# Altium PCB ESP32-C3_V1.PcbDoc (part 1 of 2)
Units mm, origin at the board's own origin, x right, y up, seen from the top; angles counter-clockwise.
Board outline 80 x 35 mm, 4 copper layers (Top Layer, Inner Layer 1, Inner Layer 2, Bottom Layer), stack 1.564 mm thick; 105 components, 76 nets, 445 pads, 265 vias.
Unrouted connection lines stored in the file: 166.
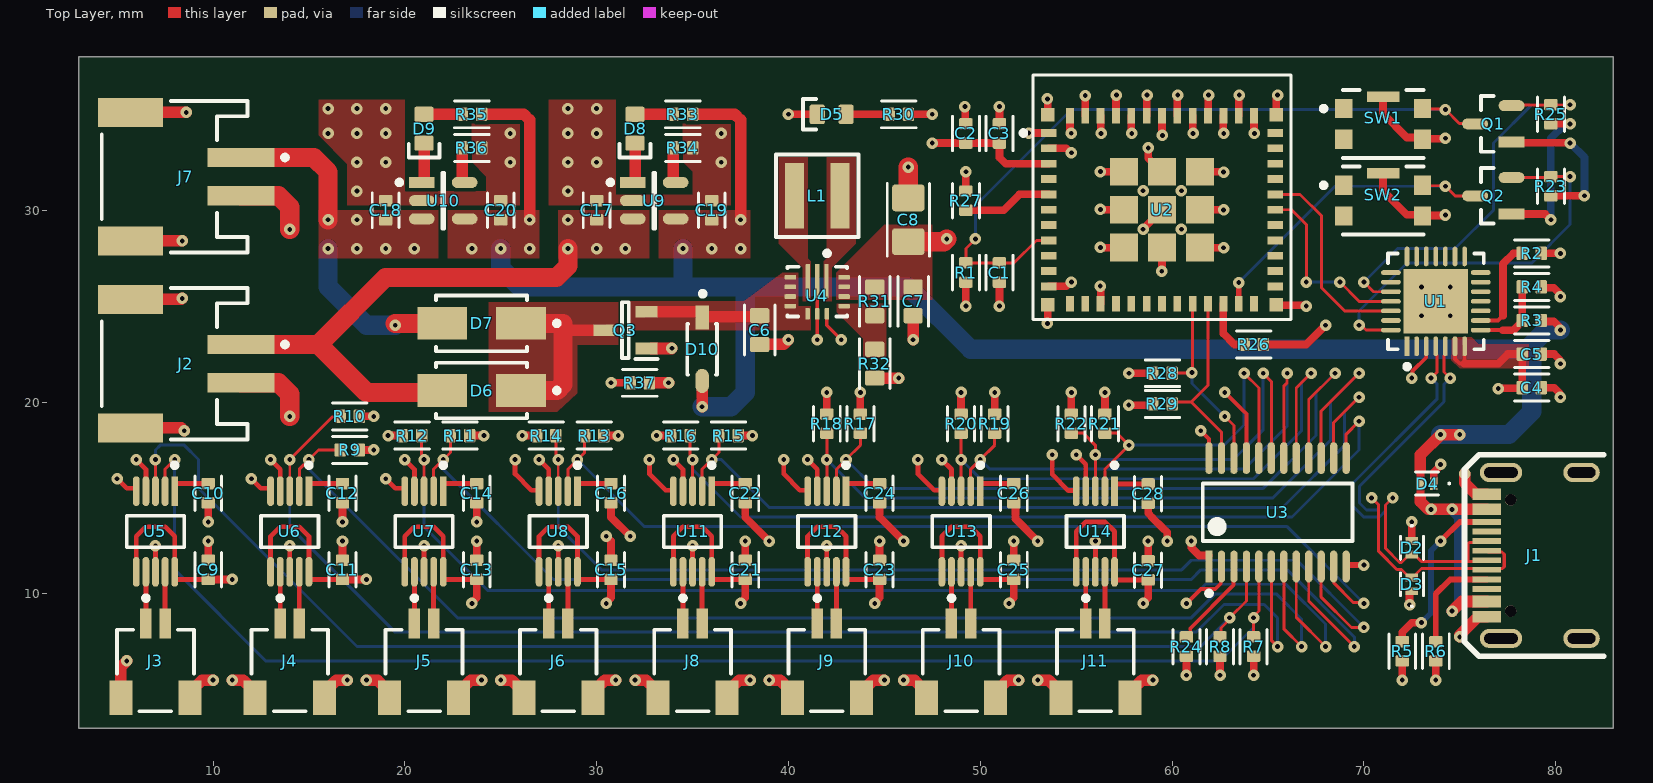
[diagram p0: Top Layer view]
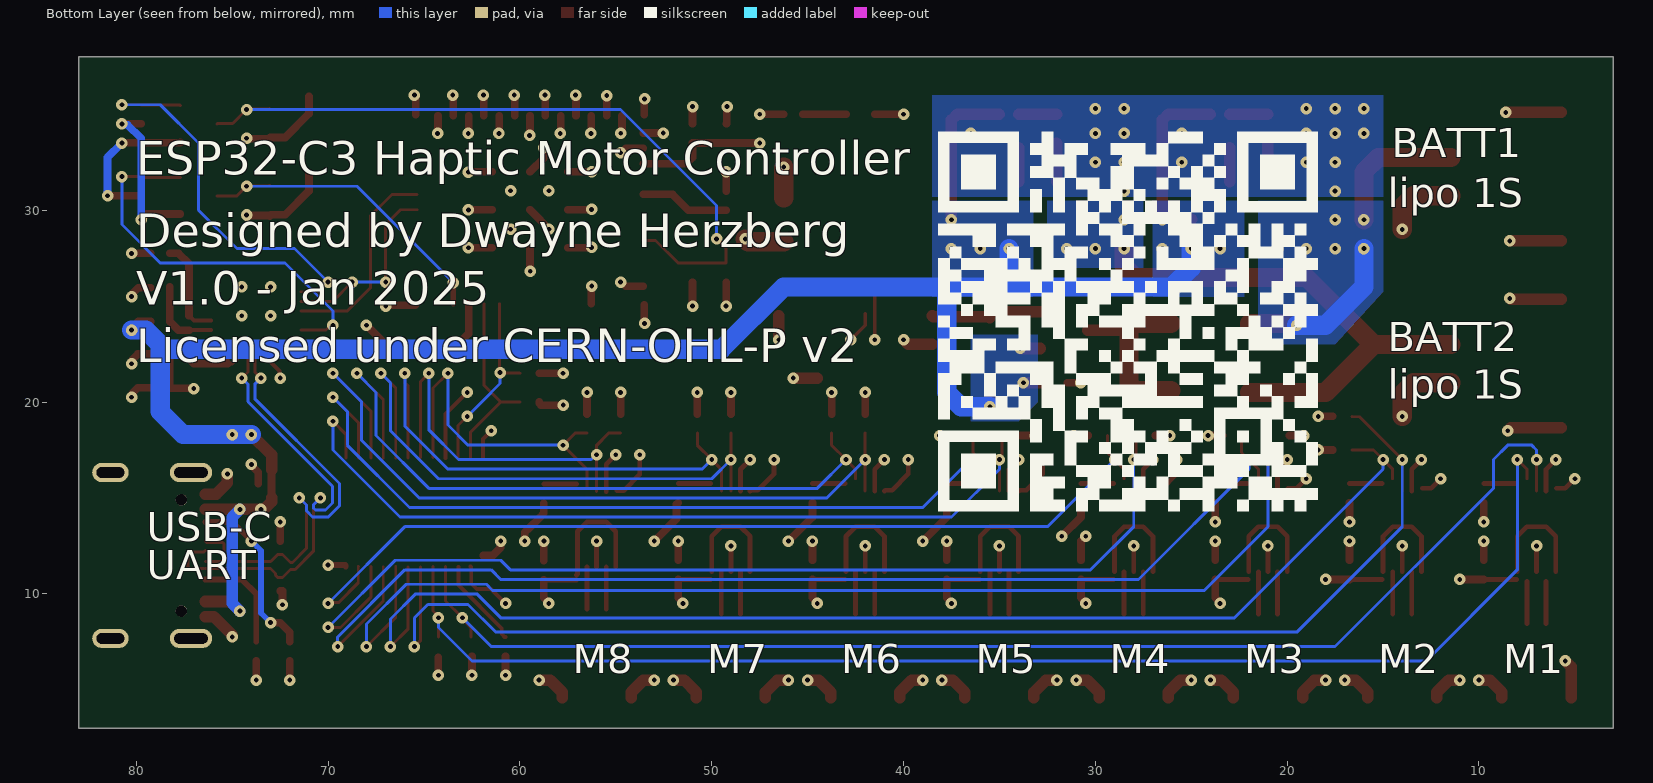
[diagram p1: Bottom Layer view, seen from below]
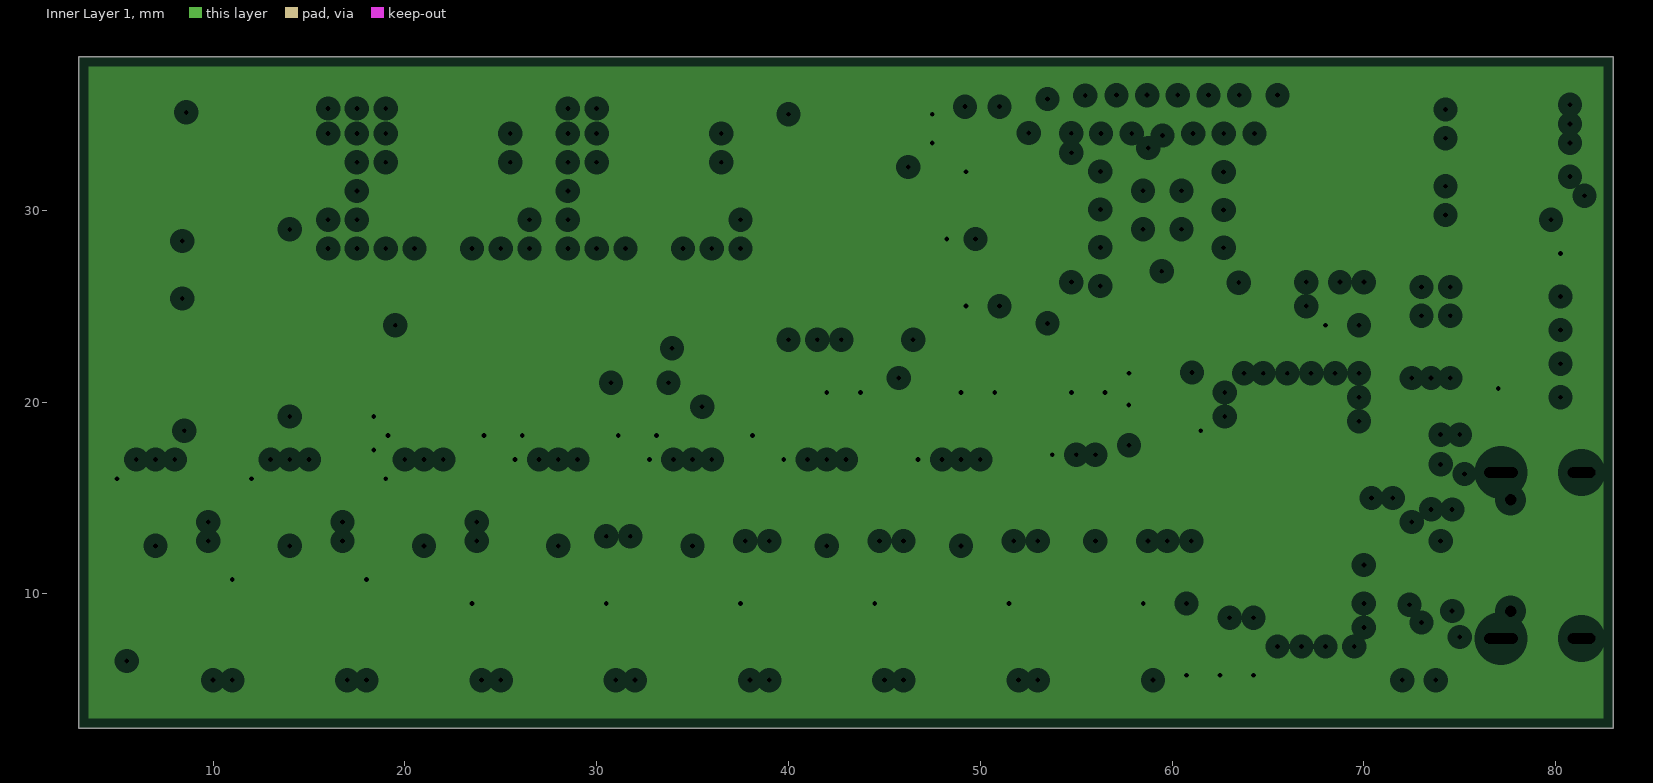
[diagram p2: Inner Layer 1, clearances drawn from the general rule]
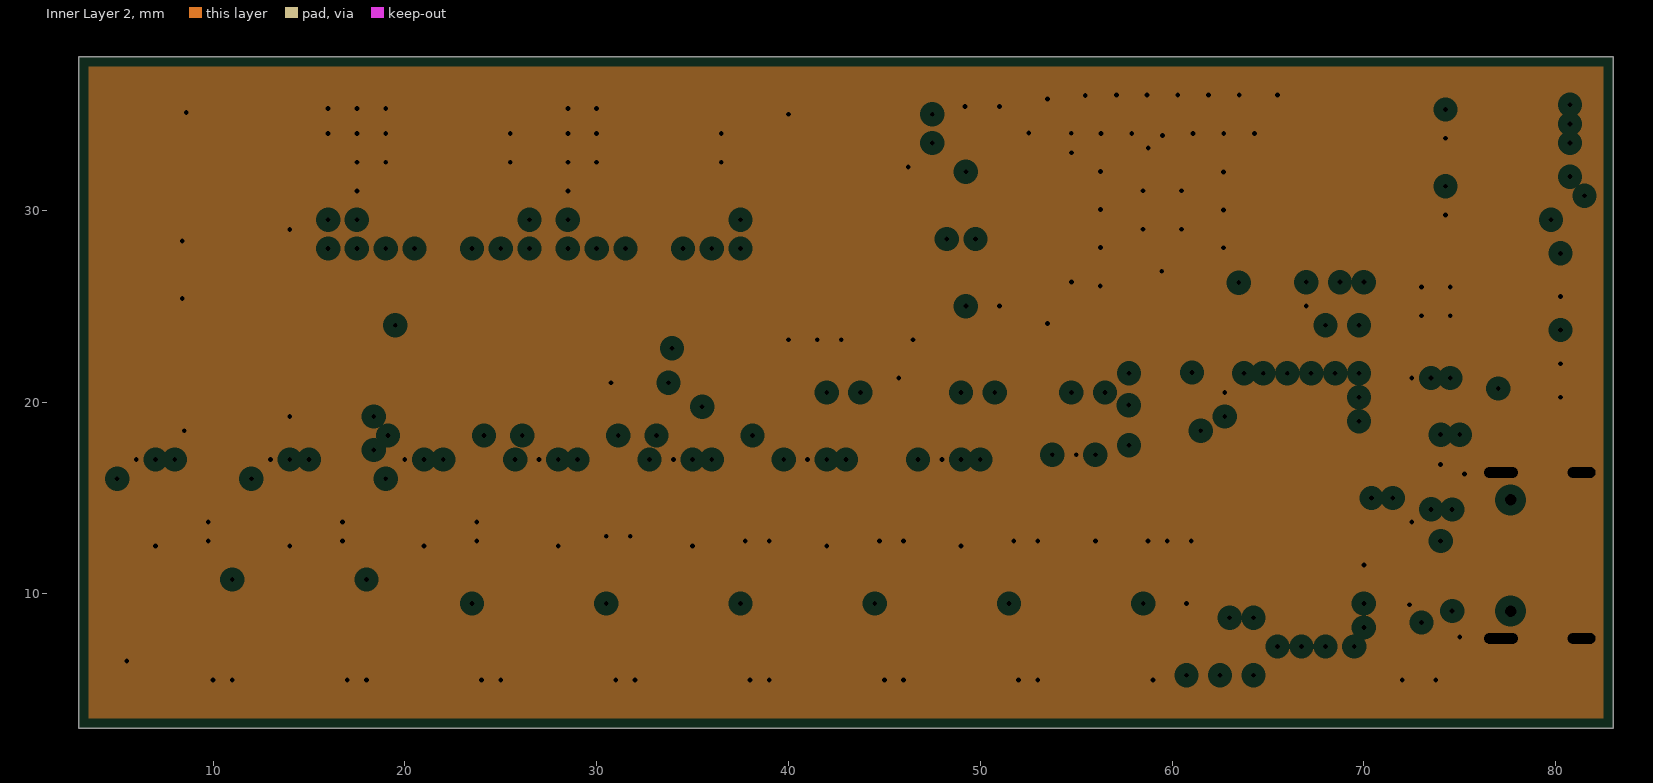
[diagram p3: Inner Layer 2, clearances drawn from the general rule]
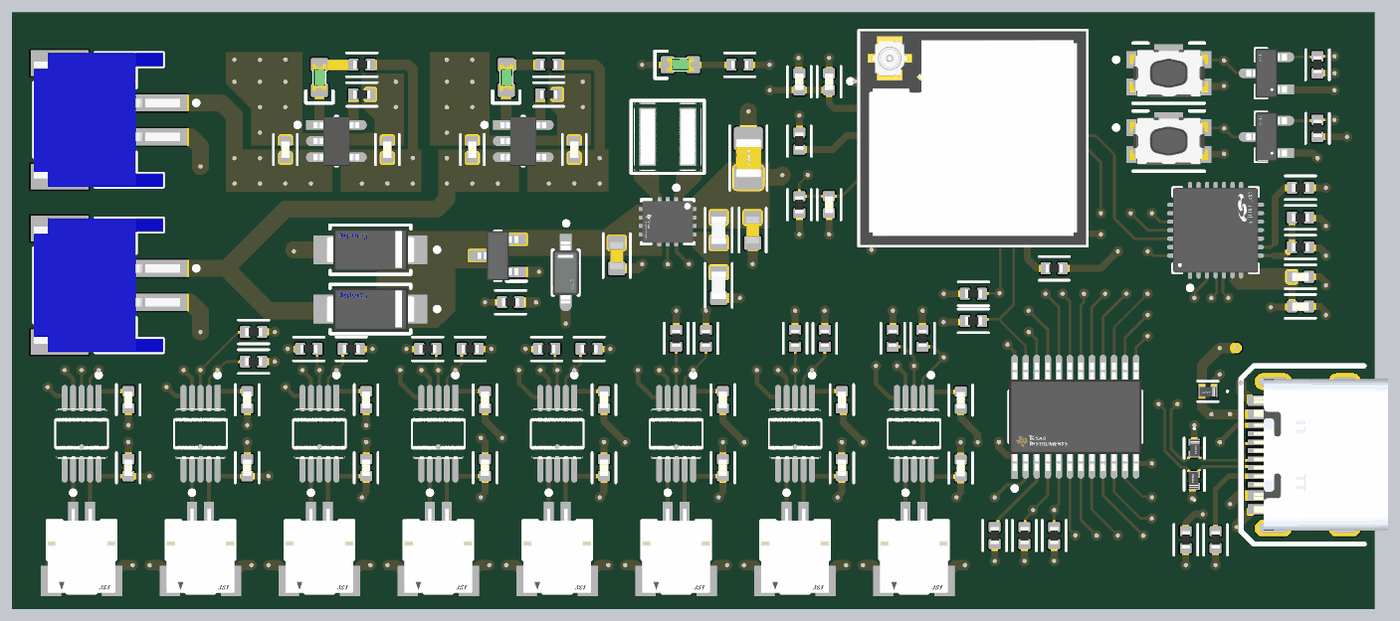
[diagram p5: 3D render of the assembled board from above, using the file's embedded part models]

## Layer stack, top to bottom
Top Solder: solder mask 0.0152, Solder Resist, Dk 3.8
Top Layer: signal copper 0.035
Dielectric 1: prepreg 0.0994, NP-155F, Dk 4.1
Inner Layer 1: plane copper 0.0152, net VCC_3V3
Dielectric 2: core 1.265, NP-155F, Dk 4.43
Inner Layer 2: plane copper 0.0152, net GND
Dielectric 3: prepreg 0.0994, NP-155F, Dk 4.1
Bottom Layer: signal copper 0.035
Bottom Solder: solder mask 0.0152, Solder Resist, Dk 3.8

## Board outline
3,3 3,38 83,38 83,3

## Design rules (kind name [scope] priority, off if disabled: settings)
BoardOutlineClearance [All] p1: gap=0.3 ignorepadtopadclearanceinfootprint=FALSE except(0.4: Arc-SplitBarrior Arc-SplitContinuation Track-SplitBarrior Track-SplitContinuation SMDPad-SplitBarrior SMDPad-SplitContinuation THPad-SplitBarrior THPad-SplitContinuation Via-SplitBarrior Via-SplitContinuation Fill-SplitBarrior Fill-SplitContinuation Poly-SplitBarrior Poly-SplitContinuation Region-SplitBarrior Region-SplitContinuation Text-SplitBarrior Text-SplitContinuation)
Clearance "Clearance Different Nets" [All] p1: gap=0.2 ignorepadtopadclearanceinfootprint=FALSE except(0.089: Arc-Arc Arc-Track Arc-SMDPad Track-Track Track-SMDPad; 0.127: SMDPad-SMDPad SMDPad-Via THPad-Via Via-Via; 0.254: Arc-Via Arc-Text Track-Via Track-Text SMDPad-Text THPad-Text Via-Text Fill-Text Poly-Text Region-Text Text-Text; 0.5: THPad-THPad Via-Hole)
Clearance "Clearance Same Nets" [All] p2: gap=0.2 ignorepadtopadclearanceinfootprint=FALSE except(0: SMDPad-Via THPad-Via; 0.089: Arc-Arc Arc-Track Arc-SMDPad Track-Track Track-SMDPad SMDPad-SMDPad; 0.254: Arc-Via Arc-Text Track-Via Track-Text SMDPad-Text THPad-Text Via-Via Via-Text Fill-Text Poly-Text Region-Text Text-Text)
Clearance "Clearance Bottom Layer" [OnLayer('Bottom Layer')] p3: gap=0.203 ignorepadtopadclearanceinfootprint=TRUE except(0.254: Arc-Text Track-Text SMDPad-Text THPad-Text Via-Text Fill-Text Poly-Text Region-Text Text-Text)
Clearance "Clearance Top Layer" [OnLayer('Top Layer')] p4: gap=0.203 ignorepadtopadclearanceinfootprint=TRUE except(0.254: Arc-Text Track-Text SMDPad-Text THPad-Text Via-Text Fill-Text Poly-Text Region-Text Text-Text)
ComponentClearance [All] p1: gap=0.254 collisioncheckmode=3 verticalgap=0.254 showdistances=TRUE
DiffPairsRouting [InDifferentialPairClass('All Differential Pairs')] p1: maxlimit=0.206 minlimit=0.203 mostfreqgap=0.203 toplayer_minwidth=0.153 toplayer_maxwidth=0.158 toplayer_prefwidth=0.153 bottomlayer_minwidth=0.153 bottomlayer_maxwidth=0.158 bottomlayer_prefwidth=0.154 maxuncoupledlength=12.7
HoleSize [All] p1: absolutevalues=TRUE maxlimit=6.3 minlimit=0.2 maxpercent=80.000 minpercent=20.000
MinimumAnnularRing [All] p1: minimumring=0.13
MinimumSolderMaskSliver [All] p1: minsoldermaskwidth=0.1
PlaneClearance [All] p1: clearance=0.508
PlaneConnect [All] p1: pad.planeconnectstyle=Relief pad.reliefexpansion=0.508 pad.reliefentries=4 pad.reliefconductorwidth=0.254 pad.reliefairgap=0.254 via.planeconnectstyle=Direct via.reliefexpansion=0.508 via.reliefentries=4 via.reliefconductorwidth=0.254 via.reliefairgap=0.254
PolygonConnect PolygonConnect_1 [All] p1: connectstyle=Direct reliefconductorwidth=0.508 reliefentries=4 polygonreliefangle="90 Angle" airgapwidth=0.254
RoutingCorners [All] p1: cornerstyle=Round minsetback=2.54 maxsetback=2.54
RoutingVias [All] p1: holewidth=0.5 width=1 viastyle="Through Hole" minholewidth=0.2 minwidth=0.35 maxholewidth=1 maxwidth=2
SilkToSilkClearance [All] p1: silktosilkclearance=0.1
SilkToSolderMaskClearance [IsPad] p1: minsilkscreentomaskgap=0.1 clearancetoexposedcopper=TRUE
SolderMaskExpansion [All] p1: expansion=0.102 istentingtop=FALSE
Width [All] p1: maxlimit=2.54 minlimit=0.089 preferedwidth=0.381
21 further rules are at their usual default settings.

## Classes and differential pairs
differential pair CON_USB: +CON_USB_P -CON_USB_N

## Components (designator, comment, footprint, x,y, rotation, side; value= is the part's Value field where it differs from the comment)
C1 "1uF 35V" CAP_0402 51,26.75 r90 top value=1uF
C2 "0.1uF 50V" CAP_0402 49.25,34 r270 top
C3 "10uF 10V" CAP_0402 51,34 r270 top value=10uF
C4 "4.7uF 16V" CAP_0402 78.75,20.75 r180 top value=4.7uF
C5 "0.1uF 50V" CAP_0402 78.75,22.5 r180 top
C6 "10uF 10V" CAP_0603 38.5,23.75 r90 top value=10uF
C7 "10uF 6.3V" CAP_0603 46.5,25.25 r90 top value=10uF
C8 "47uF 6.3V" CAP_0805 46.25,29.5 r270 top value=47uF
C9 "1uF 35V" CAP_0402 9.75,11.25 r270 top value=1uF
C10 "1uF 35V" CAP_0402 9.75,15.25 r90 top value=1uF
C11 "1uF 35V" CAP_0402 16.75,11.25 r270 top value=1uF
C12 "1uF 35V" CAP_0402 16.75,15.25 r90 top value=1uF
C13 "1uF 35V" CAP_0402 23.75,11.25 r270 top value=1uF
C14 "1uF 35V" CAP_0402 23.75,15.25 r90 top value=1uF
C15 "1uF 35V" CAP_0402 30.75,11.25 r270 top value=1uF
C16 "1uF 35V" CAP_0402 30.75,15.25 r90 top value=1uF
C17 "4.7uF 16V" CAP_0402 30,30 r90 top value=4.7uF
C18 "4.7uF 16V" CAP_0402 19,30 r90 top value=4.7uF
C19 "4.7uF 16V" CAP_0402 36,30 r90 top value=4.7uF
C20 "4.7uF 16V" CAP_0402 25,30 r90 top value=4.7uF
C21 "1uF 35V" CAP_0402 37.75,11.25 r270 top value=1uF
C22 "1uF 35V" CAP_0402 37.75,15.25 r90 top value=1uF
C23 "1uF 35V" CAP_0402 44.75,11.25 r270 top value=1uF
C24 "1uF 35V" CAP_0402 44.75,15.25 r90 top value=1uF
C25 "1uF 35V" CAP_0402 51.75,11.25 r270 top value=1uF
C26 "1uF 35V" CAP_0402 51.75,15.25 r90 top value=1uF
C27 "1uF 35V" CAP_0402 58.75,11.226 r270 top value=1uF
C28 "1uF 35V" CAP_0402 58.75,15.226 r90 top value=1uF
D2 "AQ3045-01ETG" SP353001ETG 72.5,12.4 r270 top
D3 "AQ3045-01ETG" SP353001ETG 72.5,10.5 r90 top
D4 "AQ3045-01ETG" SP353001ETG 73.3,15.75 r180 top
D5 "GREEN" LED_0603_GREEN#1 42.25,35 r0 top
D6 "40V 2A" FP-DO-214AC-MFG 24,20.6 r180 top
D7 "40V 2A" FP-DO-214AC-MFG 24,24.1 r180 top
D8 "GREEN" LED_0603_GREEN#1 32,34.25 r90 top
D9 "GREEN" LED_0603_GREEN#2 21,34.25 r90 top
D10 "40V 1A" FP-SOD123-IPC_B 35.5,22.75 r270 top
J1 "TYPE-C-31-M-12" TYPE-C-31-M-12 79.25,12 r90 top
J2 "S2B-PH-SM4-TB(LF)(SN)" "JST- S2B-PH-SM4-TB(LF)(SN)-2_V" 8,22 r270 top
J3 "SM02B-SRSS-TB(LF)(SN)" FP-SM02B-SRSS-TB_LF_SN-MFG 7,6 r0 top
J4 "SM02B-SRSS-TB(LF)(SN)" FP-SM02B-SRSS-TB_LF_SN-MFG 14,6 r0 top
J5 "SM02B-SRSS-TB(LF)(SN)" FP-SM02B-SRSS-TB_LF_SN-MFG 21,6 r0 top
J6 "SM02B-SRSS-TB(LF)(SN)" FP-SM02B-SRSS-TB_LF_SN-MFG 28,6 r0 top
J7 "S2B-PH-SM4-TB(LF)(SN)" "JST- S2B-PH-SM4-TB(LF)(SN)-2_V" 8,31.75 r270 top
J8 "SM02B-SRSS-TB(LF)(SN)" FP-SM02B-SRSS-TB_LF_SN-MFG 35,6 r0 top
J9 "SM02B-SRSS-TB(LF)(SN)" FP-SM02B-SRSS-TB_LF_SN-MFG 42,6 r0 top
J10 "SM02B-SRSS-TB(LF)(SN)" FP-SM02B-SRSS-TB_LF_SN-MFG 49,6 r0 top
J11 "SM02B-SRSS-TB(LF)(SN)" FP-SM02B-SRSS-TB_LF_SN-MFG 56,6 r0 top
L1 "1uH" FP-XAL4020-102MEC-MFG 41.5,30.75 r0 top
Q1 "SS8050-G" FP-SS8050-G-IPC_B 76.75,34.5 r180 top
Q2 "SS8050-G" FP-SS8050-G-IPC_B 76.75,30.75 r180 top
Q3 "DMP2045U-7" SOT96P240X115-3N 31.5,23.75 r180 top
R1 "10K" RES_0402#1 49.25,26.75 r270 top value=10kR
R2 "1K" RES_0402#1 78.75,27.75 r0 top value=1kR
R3 "22K1" RES_0402#1 78.75,24.25 r0 top value=22.1kR
R4 "47K5" RES_0402#1 78.75,26 r180 top value=47.5kR
R5 "5K1" RES_0402#1 72,7 r90 top value=5.1kR
R6 "5K1" RES_0402#1 73.75,7 r90 top value=5.1kR
R7 "10K" RES_0402#1 64.25,7.25 r270 top value=10kR
R8 "10K" RES_0402#1 62.5,7.25 r270 top value=10kR
R9 "10K" RES_0402#1 17.125,17.5 r0 top value=10kR
R10 "10K" RES_0402#1 17.125,19.25 r0 top value=10kR
R11 "10K" RES_0402#1 22.875,18.25 r0 top value=10kR
R12 "10K" RES_0402#1 20.375,18.25 r180 top value=10kR
R13 "10K" RES_0402#1 29.875,18.25 r0 top value=10kR
R14 "10K" RES_0402#1 27.375,18.25 r180 top value=10kR
R15 "10K" RES_0402#1 36.875,18.25 r0 top value=10kR
R16 "10K" RES_0402#1 34.375,18.25 r180 top value=10kR
R17 "10K" RES_0402#1 43.75,18.875 r90 top value=10kR
R18 "10K" RES_0402#1 42,18.875 r90 top value=10kR
R19 "10K" RES_0402#1 50.75,18.875 r90 top value=10kR
R20 "10K" RES_0402#1 49,18.875 r90 top value=10kR
R21 "10K" RES_0402#1 56.5,18.875 r90 top value=10kR
R22 "10K" RES_0402#1 54.75,18.875 r90 top value=10kR
R23 "10K" RES_0402#1 79.75,31.25 r90 top value=10kR
R24 "10K" RES_0402#1 60.75,7.25 r270 top value=10kR
R25 "10K" RES_0402#1 79.75,35 r90 top value=10kR
R26 "10K" RES_0402#1 64.25,23 r0 top value=10kR
R27 "10K" RES_0402#1 49.25,30.5 r90 top value=10kR
R28 "10K" RES_0402#1 59.5,21.5 r180 top value=10kR
R29 "10K" RES_0402#1 59.5,19.9 r180 top value=10kR
R30 "1K" RES_0402#1 45.75,35 r0 top value=1kR
R31 "562K" RES_0603 44.5,25.25 r90 top value=562kR
R32 "180K" RES_0603 44.5,22 r90 top value=180kR
R33 "1K" RES_0402#1 34.5,35 r180 top value=1kR
R34 "2K7" RES_0402#1 34.5,33.25 r0 top value=2.7kR
R35 "1K" RES_0402#2 23.5,35 r180 top value=1kR
R36 "2K7" RES_0402#1 23.5,33.25 r0 top value=2.7kR
R37 "100K" RES_0402#1 32.25,21 r0 top value=100kR
SW1 "KMR221GLFS" FP-KMR221GLFS-MFG 71,34.5 r0 top
SW2 "KMR221GLFS" FP-KMR221GLFS-MFG 71,30.5 r0 top
U1 "CP2102N-A02-GQFN28" ? 73.75,25.25 r90 top
U2 "ESP32-C3-MINI-1U-N4" ESP32-C3-MINI-1U_EXP 59.475,30.675 r0 top locked
U3 "TCA9548APWR" FP-PW0024A-IPC_B 65.5,14.25 r90 top
U4 "TPS630250RNCT" FP-RNC0014A-MFG 41.5,25.75 r270 top
U5 "DRV2605LDGSR" FP-DGS0010A-IPC_B 7,13.25 r270 top
U6 "DRV2605LDGSR" FP-DGS0010A-IPC_B 14,13.25 r270 top
U7 "DRV2605LDGSR" FP-DGS0010A-IPC_B 21,13.25 r270 top
U8 "DRV2605LDGSR" FP-DGS0010A-IPC_B 28,13.25 r270 top
U9 "MCP73831T-2ACI/OT" FP-C04-091-OT-IPC_B 33,30.5 r0 top
U10 "MCP73831T-2ACI/OT" FP-C04-091-OT-IPC_B 22,30.5 r0 top
U11 "DRV2605LDGSR" FP-DGS0010A-IPC_B 35,13.25 r270 top
U12 "DRV2605LDGSR" FP-DGS0010A-IPC_B 42,13.25 r270 top
U13 "DRV2605LDGSR" FP-DGS0010A-IPC_B 49,13.25 r270 top
U14 "DRV2605LDGSR" FP-DGS0010A-IPC_B 56,13.25 r270 top

## Footprints (in the part's own frame and the unit in brackets; to place one, negate y for a bottom-side part, rotate by r counter-clockwise, add the part's x,y. Pads: shape width x height; smd on the part's side, far side on the other; paste and mask are expansions set on the pad)
CAP_0402 [mm]
  rrect25% 0.6x0.7 smd: 1(-0.5,0) 2(0.5,0)
  silkscreen extent -0.9,-0.7 0.9,0.7, body extent -0.5,-0.26 0.5,0.27, height 0.37
CAP_0603 [mm]
  rrect25% 0.8x1 smd: 1(-0.75,0) 2(0.75,0)
  silkscreen extent -1.3,-0.8 1.3,0.8, body extent -0.8,-0.4 0.8,0.4, height 0.51
CAP_0805 [mm]
  rrect25% 1.4x1.7 smd: 1(-1.143,0) 2(1.143,0)
  silkscreen extent -1.9,-1.1 1.9,1.1, body extent -1.15,-0.76 1.15,0.79, height 1.01
ESP32-C3-MINI-1U_EXP [mil]
  rect 32x16 smd paste+0 mask+0: 1(-232.28,131.89) 2(-232.28,100.39) 3(-232.28,68.9) 4(-232.28,37.4) 5(-232.28,5.91) 6(-232.28,-25.59) 7(-232.28,-57.09) 8(-232.28,-88.58) 9(-232.28,-120.08) 10(-232.28,-151.57) 11(-232.28,-183.07) 25(232.28,-183.07) 26(232.28,-151.57) 27(232.28,-120.08) 28(232.28,-88.58) 29(232.28,-57.09) 30(232.28,-25.59) 31(232.28,5.91) 32(232.28,37.4) 33(232.28,68.9) 34(232.28,100.39) 35(232.28,131.89)
  rect 16x32 smd paste+0 mask+0: 12(-188.98,-218.5) 13(-157.48,-218.5) 14(-125.98,-218.5) 15(-94.49,-218.5) 16(-62.99,-218.5) 17(-31.5,-218.5) 18(0,-218.5) 19(31.5,-218.5) 20(62.99,-218.5) 21(94.49,-218.5) 22(125.98,-218.5) 23(157.48,-218.5) 24(188.98,-218.5) 36(188.98,167.32) 37(157.48,167.32) 38(125.98,167.32) 39(94.49,167.32) 40(62.99,167.32) 41(31.5,167.32) 42(0,167.32) 43(-31.5,167.32) 44(-62.99,167.32) 45(-94.49,167.32) 46(-125.98,167.32) 47(-157.48,167.32) 48(-188.98,167.32)
  rect 57x57 smd paste+0 mask+0: 49(0,-25.59) 54(-77.76,52.17) 55(-77.76,-25.59) 56(-77.76,-103.35) 57(0,-103.35) 58(77.76,-103.35) 59(77.76,-25.59) 60(77.76,52.17) 61(0,52.17)
  rect 28x28 smd paste+0 mask+0: 50(234.25,169.29) 51(234.25,-220.47) 52(-234.25,-220.47) 53(-234.25,169.29)
  silkscreen extent -289,-251 265,251, body extent -260,-246 260,246, height 94
FP-C04-091-OT-IPC_B [mm]
  rect 1.338x0.578 smd paste+0 mask+0: 1(-1.116,0.95)
  rrect100% 1.338x0.578 smd paste+0 mask+0: 2(-1.116,0) 3(-1.116,-0.95) 4(1.116,-0.95) 5(1.116,0.95)
  silkscreen extent -2.41,-1.45 0.05,1.45, body extent -1.35,-1.45 1.35,1.45, height 1.45
FP-DGS0010A-IPC_B [mm]
  rect 1.557x0.35 smd paste+0 mask+0: 1(-2.101,1)
  rrect100% 1.557x0.35 smd paste+0 mask+0: 2(-2.101,0.5) 3(-2.101,0) 4(-2.101,-0.5) 5(-2.101,-1) 6(2.101,-1) 7(2.101,-0.5) 8(2.101,0) 9(2.101,0.5) 10(2.101,1)
  silkscreen extent -3.58,-1.5 0.82,1.5, body extent -2.45,-1.5 2.45,1.5, height 1.1
FP-DO-214AC-MFG [mm]
  rect 2.6x1.7 smd paste+0 mask+0: 1(-2.05,0) 2(2.05,0)
  silkscreen extent -4.05,-1.45 2.37,1.45, body extent -3.45,-1.55 3.45,1.55, height 0.25
FP-KMR221GLFS-MFG [mm]
  rect 0.9x1 smd paste+0 mask+0: 1(-2.05,0.8) 2(2.05,0.8) 3(-2.05,-0.8) 4(2.05,-0.8)
  rect 1.7x0.55 smd paste+0 mask+0: 5(0,1.425)
  silkscreen extent -3.22,-1.78 2.1,1.78, body extent -2.6,-1.5 2.6,1.8, height 0.25
FP-PW0024A-IPC_B [mm]
  rect 1.655x0.381 smd paste+0 mask+0: 1(-2.825,3.575)
  rrect100% 1.655x0.381 smd paste+0 mask+0: 2(-2.825,2.925) 3(-2.825,2.275) 4(-2.825,1.625) 5(-2.825,0.975) 6(-2.825,0.325) 7(-2.825,-0.325) 8(-2.825,-0.975) 9(-2.825,-1.625) 10(-2.825,-2.275) 11(-2.825,-2.925) 12(-2.825,-3.575) 13(2.825,-3.575) 14(2.825,-2.925) 15(2.825,-2.275) 16(2.825,-1.625) 17(2.825,-0.975) 18(2.825,-0.325) 19(2.825,0.325) 20(2.825,0.975) 21(2.825,1.625) 22(2.825,2.275) 23(2.825,2.925) 24(2.825,3.575)
  silkscreen extent -4.35,-3.9 1.5,3.9, body extent -3.9,-4.15 3.9,4.15, height 0.25
FP-RNC0014A-MFG [mm]
  rrect45% 1.79x0.22 smd paste-1000 mask+0: 1(-0.555,0.49) 3(-0.555,-0.49)
  rrect42% 1.79x0.24 smd paste-1000 mask+0: 2(-0.555,0)
  rrect42% 0.24x0.6 smd paste+0 mask+0: 4(-0.75,-1.4) 5(-0.25,-1.4) 6(0.25,-1.4) 7(0.75,-1.4) 11(0.75,1.4) 12(0.25,1.4) 13(-0.25,1.4) 14(-0.75,1.4)
  rrect42% 0.6x0.24 smd paste+0 mask+0: 8(1.15,-0.5) 9(1.15,0) 10(1.15,0.5)
  silkscreen extent -2.12,-1.55 1.3,1.55, body extent -1.55,-1.8 1.55,1.8, height 0.25
FP-SM02B-SRSS-TB_LF_SN-MFG [mm]
  rect 0.6x1.55 smd paste+0 mask+0: 1(-0.5,2.45) 2(0.5,2.45)
  rect 1.2x1.8 smd paste+0 mask+0: 3(-1.8,-1.425) 4(1.8,-1.425)
  silkscreen extent -2,-2.12 2,3.9, body extent -2.5,-2.42 2.5,3.32, height 0.25
FP-SOD123-IPC_B [mm]
  rect 1.257x0.702 smd paste+0 mask+0: 1(-1.65,0)
  rrect100% 1.257x0.702 smd paste+0 mask+0: 2(1.65,0)
  silkscreen extent -3.02,-0.77 1.33,0.77, body extent -2.53,-1.02 2.53,1.02, height 0.25
FP-SS8050-G-IPC_B [mm]
  rect 1.357x0.572 smd paste+0 mask+0: 1(-0.951,0.95)
  rrect100% 1.357x0.572 smd paste+0 mask+0: 2(-0.951,-0.95) 3(0.951,0)
  silkscreen extent 0,-1.45 0.65,1.45, body extent -1.88,-1.7 1.88,1.7, height 0.25
FP-XAL4020-102MEC-MFG [mm]
  rect 0.98x3.4 smd paste+0 mask+0: 1(-1.185,0) 2(1.185,0)
  silkscreen extent -2.15,-2.15 2.15,2.15, body extent -2.25,-2.25 2.25,2.25, height 0.25
"JST- S2B-PH-SM4-TB(LF)(SN)-2_V" [mm] "SMD, 2-Leads, Body 7.9x7.6mm, Pitch 2mm"
  rect 1x3.5 smd: 1(-1,3.45) 2(1,3.45)
  rect 1.5x3.4 smd: MP1(-3.35,-2.3) MP2(3.35,-2.3)
  silkscreen extent -3.95,-3.8 3.95,5.88, body extent -3.95,-3.8 3.95,4.8, height 5.6
LED_0603_GREEN#1 [mm]
  rrect25% 0.8x1 smd: A(0.75,0) K(-0.75,0)
  silkscreen extent -1.5,-0.8 -0.8,0.8, body extent -0.8,-0.4 0.8,0.4, height 0.6
LED_0603_GREEN#2 [mm]
  rrect25% 0.8x1 smd mask+0.102: A(0.75,0)
  rrect25% 0.8x1 smd: K(-0.75,0)
  silkscreen extent -1.5,-0.8 -0.8,0.8, body extent -0.8,-0.4 0.8,0.4, height 0.6
RES_0402#1 [mm]
  rrect25% 0.6x0.7 smd: 1(-0.5,0) 2(0.5,0)
  silkscreen extent -0.9,-0.7 0.9,0.7, body extent -0.5,-0.25 0.5,0.25, height 0.3
RES_0402#2 [mm]
  rrect25% 0.6x0.7 smd: 1(-0.5,0)
  rrect25% 0.6x0.7 smd mask+0.102: 2(0.5,0)
  silkscreen extent -0.9,-0.7 0.9,0.7, body extent -0.5,-0.25 0.5,0.25, height 0.3
RES_0603 [mm]
  rrect25% 0.8x1 smd: 1(-0.75,0) 2(0.75,0)
  silkscreen extent -1.3,-0.8 1.3,0.8, body extent -0.8,-0.43 0.8,0.43, height 0.52
SOT96P240X115-3N [mm]
  rect 1.15x0.6 smd: 1(-1.1,0.96) 2(-1.1,-0.96) 3(1.1,0)
  silkscreen extent -1.68,-1.45 0.18,1.51, body extent -1.2,-1.45 1.2,1.45, height 1.15
SP353001ETG [mm]
  rect 0.4x0.65 smd: 1(-0.35,0) 2(0.35,0)
  silkscreen extent -1.2,-0.6 0.6,0.6, body extent -0.49,-0.25 0.49,0.33, height 0.48
TYPE-C-31-M-12 [mm]
  rect 0.6x1.5 smd mask+0.07: A1B12(-3.2,2.85) B1A12(3.2,2.85)
  rect 0.6x1.5 smd mask+0.14: A4B9(-2.4,2.85) B4A9(2.4,2.85)
  rect 0.3x1.5 smd mask+0.14: A5(-1.25,2.85) A6(-0.25,2.85) A7(0.25,2.85) A8(1.25,2.85) B5(1.75,2.85) B6(0.75,2.85) B7(-0.75,2.85) B8(-1.75,2.85)
  round 0.6 hole 0.6 unplated mask+0.3: MH(-2.9,1.6) MH(2.9,1.6)
  oval 1x1.9 hole 0.55 slot 1.45 at 90 deg mask+0.05: SH(-4.325,-2.1) SH(4.325,-2.1)
  oval 1x2.2 hole 0.55 slot 1.75 at 90 deg mask+0.05: SH(-4.325,2.1) SH(4.325,2.1)
  silkscreen extent -5.25,-3.25 5.25,4, body extent -4.47,-4.65 4.47,3.25, height 3.32
? [mm]
  rect 1.031x0.242 smd paste+0 mask+0: 1(-2.341,1.5)
  rrect100% 1.031x0.242 smd paste+0 mask+0: 2(-2.341,1) 3(-2.341,0.5) 4(-2.341,0) 5(-2.341,-0.5) 6(-2.341,-1) 7(-2.341,-1.5) 15(2.341,-1.5) 16(2.341,-1) 17(2.341,-0.5) 18(2.341,0) 19(2.341,0.5) 20(2.341,1) 21(2.341,1.5)
  rrect100% 0.242x1.031 smd paste+0 mask+0: 8(-1.5,-2.341) 9(-1,-2.341) 10(-0.5,-2.341) 11(0,-2.341) 12(0.5,-2.341) 13(1,-2.341) 14(1.5,-2.341) 22(1.5,2.341) 23(1,2.341) 24(0.5,2.341) 25(0,2.341) 26(-0.5,2.341) 27(-1,2.341) 28(-1.5,2.341)
  rect 3.35x3.35 smd paste-1000 mask+0: ""(0,0)
  silkscreen extent -3.53,-2.5 2.5,2.5, body extent -3.11,-3.11 3.11,3.11, height 0.25

## Part data
C1 C9 C10 C11 C12 C13 C14 C15 C16 C21 C22 C23 C24 C25 C26 C27 C28: library part CL05A105KL5NRNC, "CAP CER 1UF 35V X5R 0402", Capacitor Type=Ceramic, Case/Package=0402, JLCPCB Part=C307413, Manufacturer=Samsung, Max Operating Temperature=85°C, Min Operating Temperature=-55°C, Package Shape=Rectangular, Rated DC Voltage (URdc)=35V, Supplier Part Number=1276-6796-1-ND, Temperature Characteristics Code=X5R, Tolerance  (fill in as +-)=10%, Category="Ceramic Capacitors", ComponentLink1Description=https://datasheet.ciiva.com:443/pdfs/VipMasterIC/IC/SEMS/SEMS-S-A0008384515/SEMS-S-A0008872905-1.pdf?src-supplier=IHS+Markit, ComponentLink1URL=https://datasheet.ciiva.com:443/pdfs/VipMasterIC/IC/SEMS/SEMS-S-A0008384515/SEMS-S-A0008872905-1.pdf?src-supplier=IHS+Markit, ComponentLink2Description=http://www.samsungsem.com/kr/support/product-search/mlcc/CL05A105KL5NRNC.jsp?src-supplier=Digikey, ComponentLink2URL=http://www.samsungsem.com/kr/support/product-search/mlcc/CL05A105KL5NRNC.jsp?src-supplier=Digikey, Dielectric Material=Ceramic, JESD-609 Code=e3, Manufacturer Part Number=CL05A105KL5NRNC, Mounting Technology="Surface Mount", Multilayer=Yes, Packaging="Tape and Reel", Pins=2, Pricing="1=0,31, 10=0,182, 50=0,13, 100=0,114, 500=0,08684, 1000=0,07837, 2500=0,06938, 5000=0,06393 (USD)", Reach SVHC Compliant=Yes, RoHS=Yes, RoHS Compliant=Yes, Stock=232722, Supplier=Digikey, Terminal Finish=Nickel, Termination=Wraparound, Tolerance (fill in as +-)=10%
C2 C5: library part CL05B104KB54PNC, "CAP CER 0.1UF 50V X7R 0402", Capacitor Type=Ceramic, JLCPCB Part=C307331, Manufacturer=Samsung, Supplier Part Number=1276-CL05B104KB54PNCCT-ND, Category="Ceramic Capacitors", ComponentLink1Description=https://datasheet.ciiva.com:443/pdfs/VipMasterIC/IC/SEMS/SEMS-S-A0006318249/SEMS-S-A0006320959-1.pdf?src-supplier=IHS+Markit, ComponentLink1URL=https://datasheet.ciiva.com:443/pdfs/VipMasterIC/IC/SEMS/SEMS-S-A0006318249/SEMS-S-A0006320959-1.pdf?src-supplier=IHS+Markit, ComponentLink2Description=https://datasheet.octopart.com/CL05B104KB54PNC-Samsung-datasheet-8326407.pdf?src-supplier=TME, ComponentLink2URL=https://datasheet.octopart.com/CL05B104KB54PNC-Samsung-datasheet-8326407.pdf?src-supplier=TME, Dielectric Material=Ceramic, Manufacturer Part Number=CL05B104KB54PNC, Pins=2, Pricing="1=0,1, 10=0,036, 50=0,0246, 100=0,021, 500=0,01498, 1000=0,01311, 2500=0,01114, 5000=0,00995 (USD)", Reach SVHC Compliant=Yes, RoHS=Yes, RoHS Compliant=Yes, Stock=1548472, Supplier=Digikey
C3: library part CL05A106MP8NUB8, "CAP CER 10UF 10V X5R 0402", Capacitor Type=Ceramic, Case/Package=0402, JLCPCB Part=C307415, Manufacturer=Samsung, Max Operating Temperature=85°C, Min Operating Temperature=-55°C, Package Shape=Rectangular, Rated DC Voltage (URdc)=10V, Supplier Part Number=1276-6830-1-ND, Temperature Characteristics Code=X5R, Tolerance  (fill in as +-)=20%, Category="Ceramic Capacitors", ComponentLink1Description=https://datasheet.ciiva.com:443/pdfs/VipMasterIC/IC/SEMS/SEMS-S-A0008521219/SEMS-S-A0008521325-1.pdf?src-supplier=IHS+Markit, ComponentLink1URL=https://datasheet.ciiva.com:443/pdfs/VipMasterIC/IC/SEMS/SEMS-S-A0008521219/SEMS-S-A0008521325-1.pdf?src-supplier=IHS+Markit, ComponentLink2Description=http://www.samsungsem.com/kr/support/product-search/mlcc/CL05A106MP8NUB8.jsp?src-supplier=Digikey, ComponentLink2URL=http://www.samsungsem.com/kr/support/product-search/mlcc/CL05A106MP8NUB8.jsp?src-supplier=Digikey, ComponentLink3Description=https://datasheet.octopart.com/CL05A106MP8NUB8-Samsung-Electro-Mechanics-datasheet-136460857.pdf?src-supplier=Future+Electronics, ComponentLink3URL=https://datasheet.octopart.com/CL05A106MP8NUB8-Samsung-Electro-Mechanics-datasheet-136460857.pdf?src-supplier=Future+Electronics, Dielectric Material=Ceramic, JESD-609 Code=e3, Manufacturer Part Number=CL05A106MP8NUB8, Mounting Technology="Surface Mount", Multilayer=Yes, Packaging="Tape and Reel", Pins=2, Pricing="1=0,26, 10=0,121, 50=0,1012, 100=0,0816, 500=0,0752, 1000=0,0688, 2500=0,0584 (USD)", Reach SVHC Compliant=Yes, RoHS=Yes, RoHS Compliant=Yes, Stock=286147, Supplier=Digikey, Terminal Finish=Nickel, Termination=Wraparound, Tolerance (fill in as +-)=20%
C4 C17 C18 C19 C20: library part CL05A475MO5NUNC, "CAP CER 4.7UF 16V X5R 0402", Capacitor Type=Ceramic, Case/Package=0402, JLCPCB Part=C318563, Manufacturer=Samsung, Max Operating Temperature=85°C, Min Operating Temperature=-55°C, Package Shape=Rectangular, Package Style=SMTMeter, Rated DC Voltage (URdc)=16V, Supplier Part Number=1276-6836-1-ND, Temperature Characteristics Code=X5R, Tolerance  (fill in as +-)=20%, Category="Ceramic Capacitors", ComponentLink1Description=https://datasheet.ciiva.com:443/pdfs/VipMasterIC/IC/SEMS/SEMS-S-A0008384515/SEMS-S-A0008898881-1.pdf?src-supplier=IHS+Markit, ComponentLink1URL=https://datasheet.ciiva.com:443/pdfs/VipMasterIC/IC/SEMS/SEMS-S-A0008384515/SEMS-S-A0008898881-1.pdf?src-supplier=IHS+Markit, ComponentLink2Description=http://www.farnell.com/datasheets/2710653.pdf?src-supplier=Farnell, ComponentLink2URL=http://www.farnell.com/datasheets/2710653.pdf?src-supplier=Farnell, ComponentLink3Description=http://www.samsungsem.com/kr/support/product-search/mlcc/CL05A475MO5NUNC.jsp?src-supplier=Digikey, ComponentLink3URL=http://www.samsungsem.com/kr/support/product-search/mlcc/CL05A475MO5NUNC.jsp?src-supplier=Digikey, ComponentLink4Description=http://www.farnell.com/datasheets/2710653.pdf?src-supplier=Newark, ComponentLink4URL=http://www.farnell.com/datasheets/2710653.pdf?src-supplier=Newark, ComponentLink5Description=http://www.farnell.com/datasheets/2710653.pdf?src-supplier=Element14, ComponentLink5URL=http://www.farnell.com/datasheets/2710653.pdf?src-supplier=Element14, Dielectric Material=Ceramic, Height=0.7mm, JESD-609 Code=e3, Length=1mm, Manufacturer Part Number=CL05A475MO5NUNC, Mounting Technology="Surface Mount", Multilayer=Yes, Packaging="Tape and Reel", Pins=2, Pricing="1=0,31, 10=0,146, 50=0,1232, 100=0,1, 500=0,0952, 1000=0,0904, 2500=0,0752 (USD)", Reach SVHC Compliant=Yes, RoHS=Yes, RoHS Compliant=Yes, Stock=86895, Supplier=Digikey, Terminal Finish=Nickel, Termination=Wraparound, Tolerance (fill in as +-)=20%, Width=0.5mm
C6: library part CL10A106KP8NNNC, "CAP CER 10UF 10V X5R 0603", Capacitor Type=Ceramic, Case/Package=0603, JLCPCB Part=C19702, Manufacturer=Samsung, Max Operating Temperature=85°C, Min Operating Temperature=-55°C, Package Shape=Rectangular, Package Style=SMTMeter, Rated DC Voltage (URdc)=10V, Supplier Part Number=1276-1192-1-ND, Temperature Characteristics Code=X5R, Tolerance  (fill in as +-)=10%, Category="Ceramic Capacitors", ComponentLink1Description=https://datasheet.ciiva.com:443/pdfs/VipMasterIC/IC/SEMS/SEMS-S-A0008384515/SEMS-S-A0008873229-1.pdf?src-supplier=IHS+Markit, ComponentLink1URL=https://datasheet.ciiva.com:443/pdfs/VipMasterIC/IC/SEMS/SEMS-S-A0008384515/SEMS-S-A0008873229-1.pdf?src-supplier=IHS+Markit, ComponentLink2Description=https://datasheet.ciiva.com/26877/getdatasheetpartid-359551-26877881.pdf?src-supplier=Verical, ComponentLink2URL=https://datasheet.ciiva.com/26877/getdatasheetpartid-359551-26877881.pdf?src-supplier=Verical, ComponentLink3Description=https://datasheet.ciiva.com/29198/457369-da-01-en-vs-kondensator-0603-29198790.pdf?src-supplier=Conrad, ComponentLink3URL=https://datasheet.ciiva.com/29198/457369-da-01-en-vs-kondensator-0603-29198790.pdf?src-supplier=Conrad, ComponentLink4Description=https://datasheet.ciiva.com/16200/cl05b104kq5nnnc-16200766.pdf?src-supplier=Future+Electronics, ComponentLink4URL=https://datasheet.ciiva.com/16200/cl05b104kq5nnnc-16200766.pdf?src-supplier=Future+Electronics, Dielectric Material=Ceramic, Height=0.8mm, JESD-609 Code=e3, Length=1.6mm, Manufacturer Part Number=CL10A106KP8NNNC, Mounting Technology="Surface Mount", Multilayer=Yes, Packaging="Tape and Reel", Pins=2, Pricing="1=0,13, 10=0,051, 100=0,0424, 1000=0,0336 (USD)", Reach SVHC Compliant=Yes, RoHS=Yes, RoHS Compliant=Yes, Stock=972703, Supplier=Digikey, Terminal Finish=Nickel, Termination=Wraparound, Tolerance (fill in as +-)=10%, Width=0.8mm
C7: library part GRM188R60J106ME47D, "CAP CER 10UF 6.3V X5R 0603", Capacitor Type=Ceramic, Case/Package=0603, Manufacturer=Murata, Max Operating Temperature=85°C, Min Operating Temperature=-55°C, Package Shape=Rectangular, Package Style=SMTMeter, Rated DC Voltage (URdc)=6.3V, Supplier Part Number=490-3896-1-ND, Temperature Characteristics Code=X5R, Tolerance  (fill in as +-)=20%, Category="Ceramic Capacitors", ComponentLink1Description=https://datasheet.ciiva.com:443/pdfs/VipMasterIC/IC/MURE/MURE-S-A0008911298/MURE-S-A0008911290-1.pdf?src-supplier=IHS+Markit, ComponentLink1URL=https://datasheet.ciiva.com:443/pdfs/VipMasterIC/IC/MURE/MURE-S-A0008911298/MURE-S-A0008911290-1.pdf?src-supplier=IHS+Markit, ComponentLink2Description=https://datasheet.ciiva.com/28584/415295-28584232.pdf?src-supplier=Element14, ComponentLink2URL=https://datasheet.ciiva.com/28584/415295-28584232.pdf?src-supplier=Element14, ComponentLink3Description=https://datasheet.ciiva.com/3777/10175grm188r60j106me4723-3777268.pdf?src-supplier=Arrow+Electronics, ComponentLink3URL=https://datasheet.ciiva.com/3777/10175grm188r60j106me4723-3777268.pdf?src-supplier=Arrow+Electronics, ComponentLink4Description=https://datasheet.ciiva.com/22776/1747457-22776418.pdf?src-supplier=Farnell, ComponentLink4URL=https://datasheet.ciiva.com/22776/1747457-22776418.pdf?src-supplier=Farnell, ComponentLink5Description=https://datasheet.ciiva.com/29202/450781-da-01-de-vs-chip-kond-0603-10-0-uf-20pr-6-3v-x5r-29202806.pdf?src-supplier=Conrad, ComponentLink5URL=https://datasheet.ciiva.com/29202/450781-da-01-de-vs-chip-kond-0603-10-0-uf-20pr-6-3v-x5r-29202806.pdf?src-supplier=Conrad, ComponentLink6Description=https://datasheet.ciiva.com/29199/454401-da-01-en-vs-kondensator-0603-29199677.pdf?src-supplier=Conrad, ComponentLink6URL=https://datasheet.ciiva.com/29199/454401-da-01-en-vs-kondensator-0603-29199677.pdf?src-supplier=Conrad, ComponentLink7Description=https://datasheet.ciiva.com/138/partnumbering-e-01-138659.pdf?src-supplier=Digikey, ComponentLink7URL=https://datasheet.ciiva.com/138/partnumbering-e-01-138659.pdf?src-supplier=Digikey, ComponentLink8Description=https://datasheet.ciiva.com/138/partnumbering-e-01-138658.pdf?src-supplier=Digikey, ComponentLink8URL=https://datasheet.ciiva.com/138/partnumbering-e-01-138658.pdf?src-supplier=Digikey, ComponentLink9Description=https://datasheet.ciiva.com/16373/l0005e-16373580.pdf?src-supplier=Future+Electronics, ComponentLink9URL=https://datasheet.ciiva.com/16373/l0005e-16373580.pdf?src-supplier=Future+Electronics, ComponentLink10Description=https://datasheet.ciiva.com/14116/grmseries-highdielectrictype-eng-14116428.pdf?src-supplier=Distrelec, ComponentLink10URL=https://datasheet.ciiva.com/14116/grmseries-highdielectrictype-eng-14116428.pdf?src-supplier=Distrelec, ComponentLink11Description=https://datasheet.ciiva.com/138/partnumbering-e-01-138660.pdf?src-supplier=Digikey, ComponentLink11URL=https://datasheet.ciiva.com/138/partnumbering-e-01-138660.pdf?src-supplier=Digikey, Dielectric Material=Ceramic, Height=0.8mm, JESD-609 Code=e3, Length=1.6mm, Manufacturer Part Number=GRM188R60J106ME47D, Mounting Technology="Surface Mount", Multilayer=Yes, Packaging="Tape and Reel", Pins=2, Pricing="1=0,08, 10=0,031, 100=0,0268, 1000=0,0224 (USD)", Reach SVHC Compliant=Yes, RoHS=Yes, RoHS Compliant=Yes, Stock=526900, Supplier=Digikey, Terminal Finish=Nickel, Termination=Wraparound, Tolerance (fill in as +-)=20%, Width=0.8mm
C8: library part CL21A476MQYNNNE, "CAP CER 47UF 6.3V X5R 0805", Capacitor Type=Ceramic, Case/Package=0805, Manufacturer=Samsung, Max Operating Temperature=85°C, Min Operating Temperature=-55°C, Package Shape=Rectangular, Package Style=SMTMeter, Rated DC Voltage (URdc)=6.3V, Supplier Part Number=1276-1852-1-ND, Temperature Characteristics Code=X5R, Tolerance  (fill in as +-)=20%, Category="Ceramic Capacitors", ComponentLink1Description=https://datasheet.ciiva.com:443/pdfs/VipMasterIC/IC/SEMS/SEMS-S-A0008384515/SEMS-S-A0008898940-1.pdf?src-supplier=IHS+Markit, ComponentLink1URL=https://datasheet.ciiva.com:443/pdfs/VipMasterIC/IC/SEMS/SEMS-S-A0008384515/SEMS-S-A0008898940-1.pdf?src-supplier=IHS+Markit, ComponentLink2Description=https://datasheet.ciiva.com/25791/cl21a476mqynnne-25791153.pdf?src-supplier=Digikey, ComponentLink2URL=https://datasheet.ciiva.com/25791/cl21a476mqynnne-25791153.pdf?src-supplier=Digikey, ComponentLink3Description=https://datasheet.ciiva.com/26838/getdatasheetpartid-359050-26838632.pdf?src-supplier=Verical, ComponentLink3URL=https://datasheet.ciiva.com/26838/getdatasheetpartid-359050-26838632.pdf?src-supplier=Verical, Dielectric Material=Ceramic, Height=1.25mm, JESD-609 Code=e3, Length=2mm, Manufacturer Part Number=CL21A476MQYNNNE, Mounting Technology="Surface Mount", Multilayer=Yes, Packaging="Tape and Reel", Pins=2, Pricing="1=0,22, 10=0,091, 100=0,0772, 1000=0,0632 (USD)", Reach SVHC Compliant=Yes, RoHS=Yes, RoHS Compliant=Yes, Stock=287163, Supplier=Digikey, Terminal Finish=Nickel, Termination=Wraparound, Tolerance (fill in as +-)=20%, Width=1.25mm
D2 D3 D4: "TVS DIODE 5.3VWM 12VC SOD882", JLCPCB Part=C3710326, Manufacturer=Littelfuse, Max Breakdown Voltage=9V, Max Operating Temperature=150°C, Min Breakdown Voltage=6.8V, Min Operating Temperature=-55°C, Non-rep Peak Rev Power Dis-Max=40W, Package Body Material=Plastic, Package Shape=Rectangular, Package Style="CHIP CARRIERMeter", Rep Pk Reverse Voltage-Max=5.3V, Supplier Part Number=F9321CT-ND, Category="TVS Diodes", ComponentLink1Description=https://datasheet.ciiva.com:443/pdfs/VipMasterIC/IC/LFSI/LFSI-S-A0007892042/LFSI-S-A0007892042-1.pdf?src-supplier=IHS+Markit, ComponentLink1URL=https://datasheet.ciiva.com:443/pdfs/VipMasterIC/IC/LFSI/LFSI-S-A0007892042/LFSI-S-A0007892042-1.pdf?src-supplier=IHS+Markit, ComponentLink2Description=https://www.littelfuse.com/~/media/electronics/datasheets/tvs_diode_arrays/littelfuse_tvs_diode_array_aq3045_datasheet.pdf.pdf?src-supplier=Digikey, ComponentLink2URL=https://www.littelfuse.com/~/media/electronics/datasheets/tvs_diode_arrays/littelfuse_tvs_diode_array_aq3045_datasheet.pdf.pdf?src-supplier=Digikey, ComponentLink3Description=http://www.littelfuse.com/~/media/electronics/datasheets/tvs_diode_arrays/littelfuse_tvs_diode_array_aq3045_datasheet.pdf.pdf?src-supplier=Digikey, ComponentLink3URL=http://www.littelfuse.com/~/media/electronics/datasheets/tvs_diode_arrays/littelfuse_tvs_diode_array_aq3045_datasheet.pdf.pdf?src-supplier=Digikey, Diode Element Material=SILICON, Diode Type="TRANS VOLTAGE SUPPRESSOR", Manufacturer Part Number=AQ3045-01ETG, Number of Elements=1, Pins=2, Polarity=Bidirectional, Pricing="1=0,48, 10=0,321, 100=0,17, 500=0,152, 1000=0,134, 2000=0,13, 5000=0,126 (USD)", Reach SVHC Compliant=Yes, Reference Standard=AEC-Q101, RoHS=Yes, RoHS Compliant=Yes, Stock=16662, Supplier=Digikey, Surface Mount=Yes, Technology=AVALANCHE, Terminal Form="No Lead", Terminal Position=BOTTOM